# Altium PCB amp.PcbDoc (part 18 of 20) (continued)
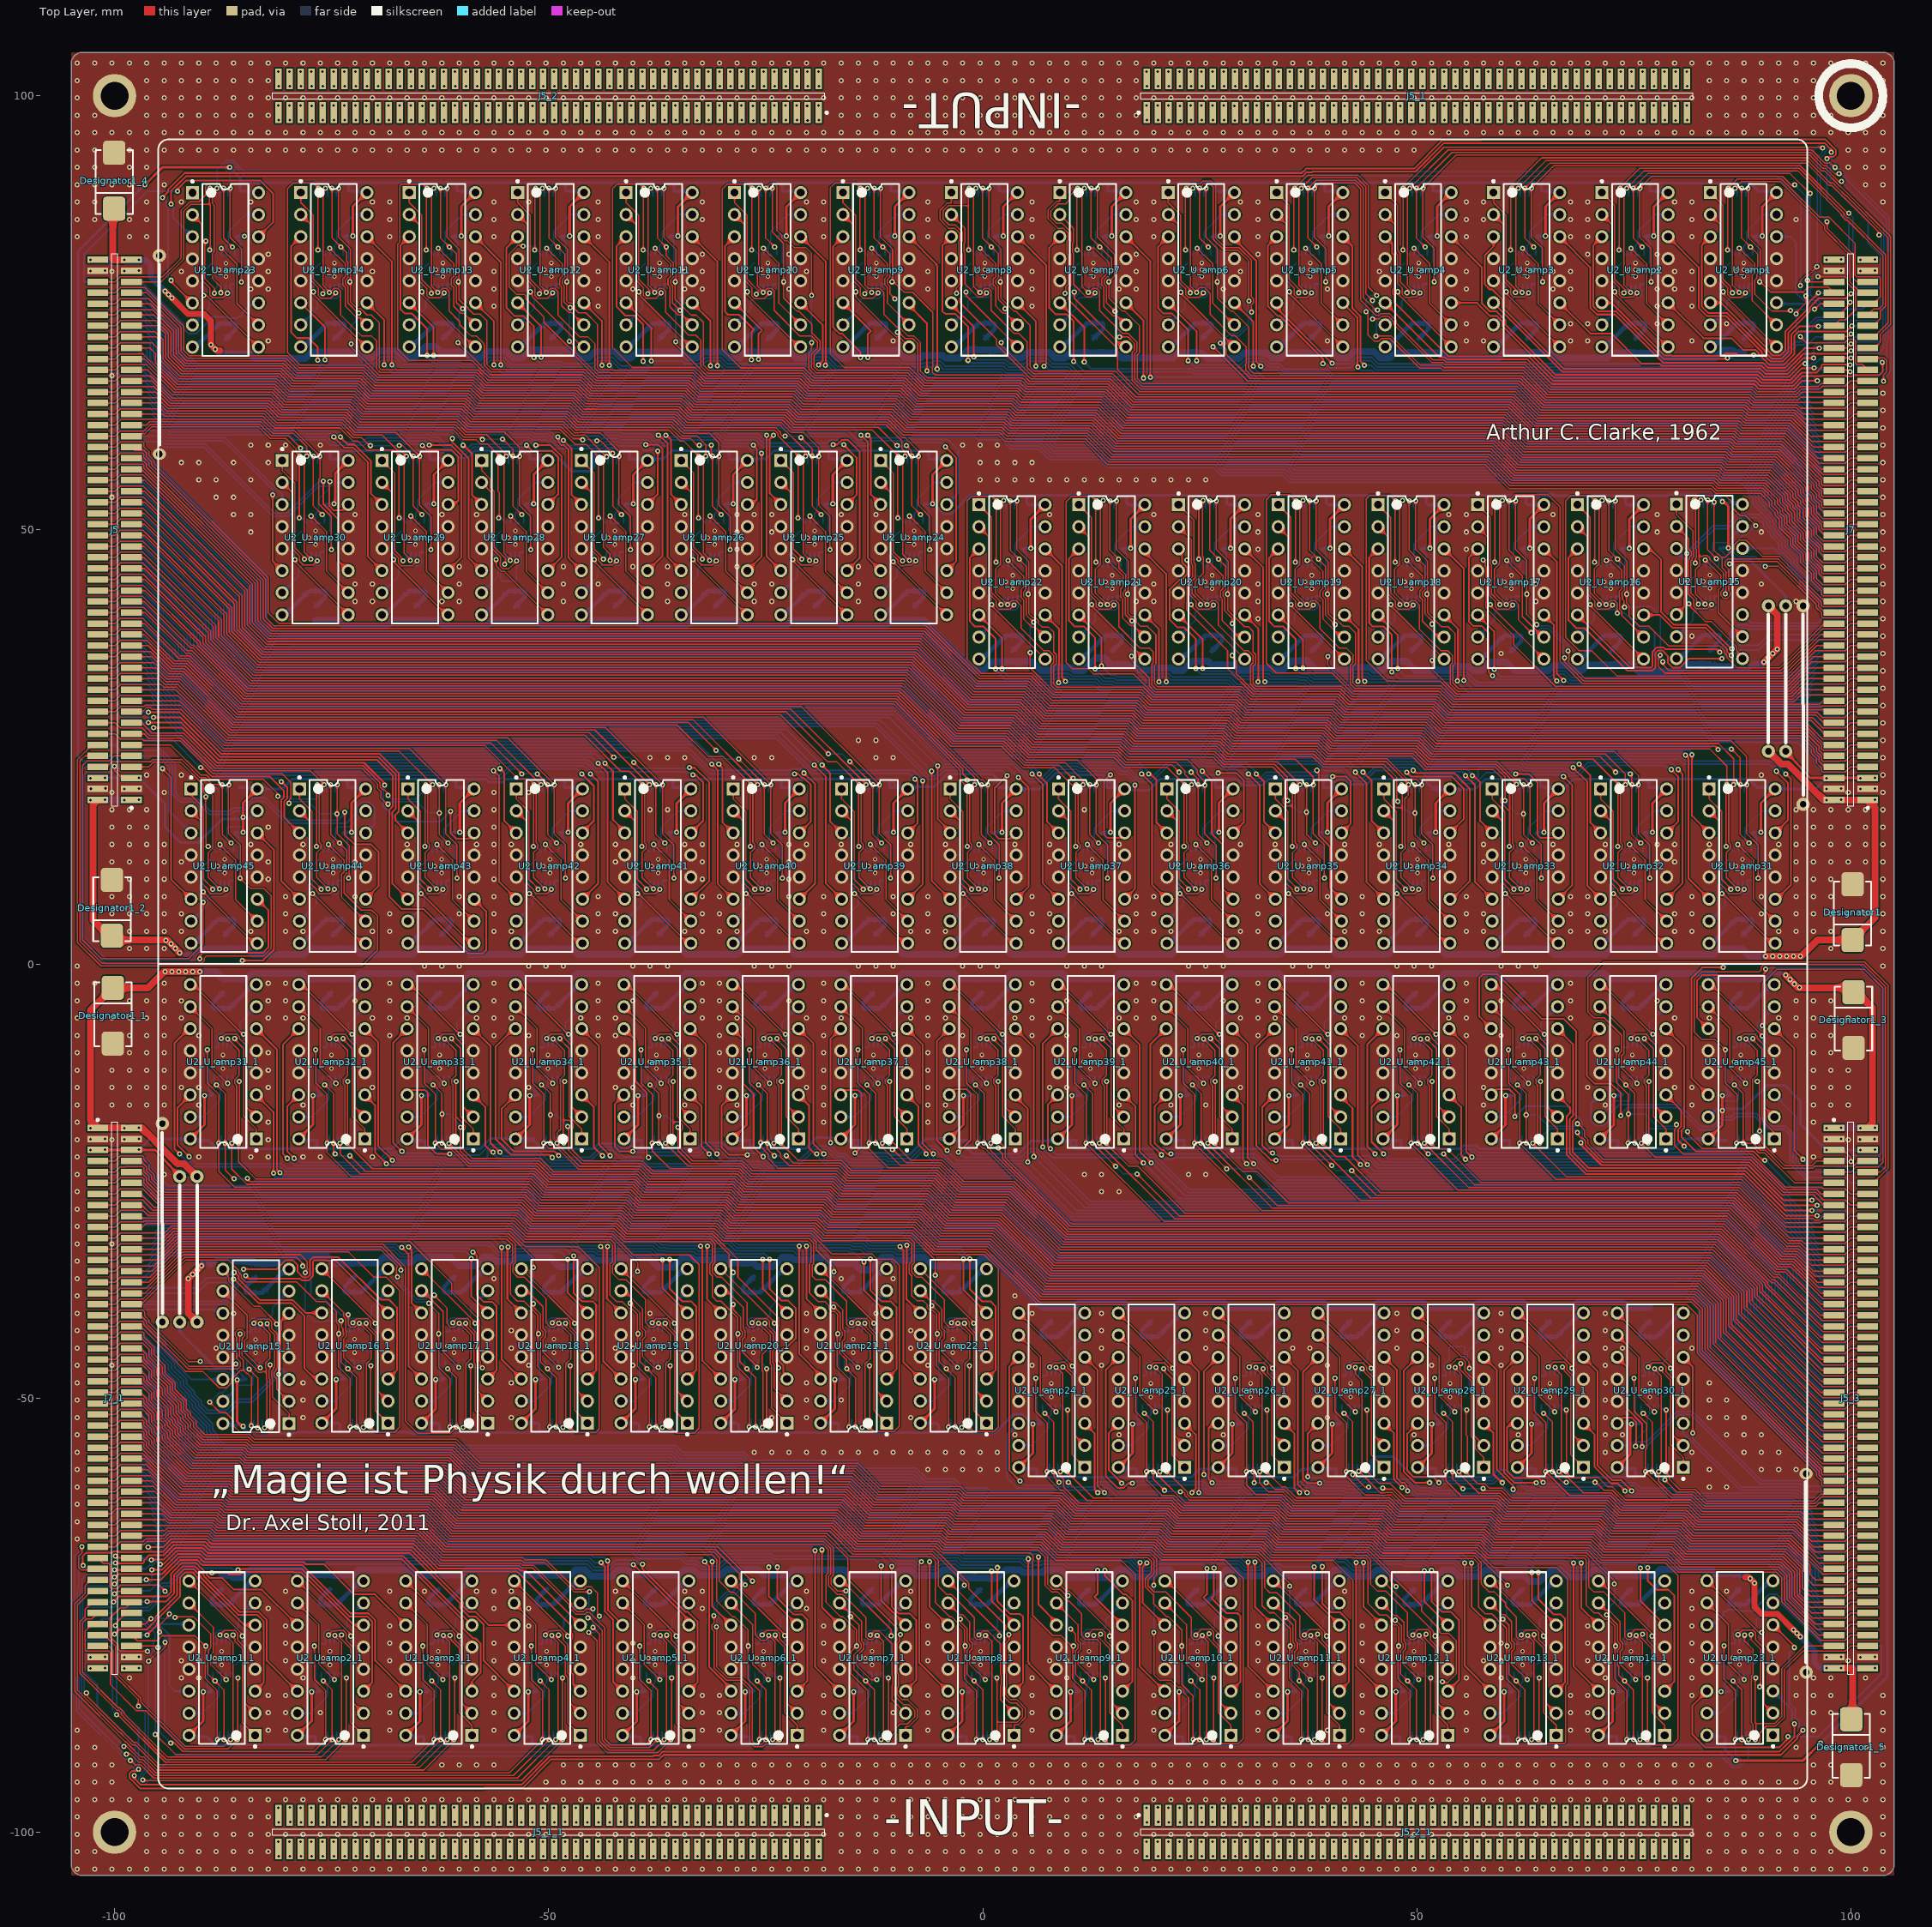
[diagram p0: Top Layer view]
## Nets (pads, with @x,y where several pads share a name; then routed paths per layer and width w, separated by ;. In a path a pad name is that pad's centre, name@x,y a point inside that pad or via, vN(x,y) a via of type N, cw(c..) or ccw(c..) an arc to the next point about the centre after c; other vN are vias at no path point) (continued)
  Bottom Layer w0.15: U1_U_amp42.12@-49.357,12.918 U1_U_amp42.11@-49.857,12.918 -49.857,14.052 -49.568,14.341 -49.568,15.661 -47.607,17.623 U2_U_amp42.15@-46.104,17.623 ; U2_U_amp42_1.15@46.104,-17.623 47.607,-17.623 49.568,-15.661 49.568,-14.341 49.857,-14.052 U1_U_amp42_1.11@49.857,-12.918 U1_U_amp42_1.12@49.357,-12.918
NetU1_U_amp43_2: U1_U_amp43.2 U1_U_amp43.3 U1_U_amp43_1.2 U1_U_amp43_1.3 U2_U_amp43.7 U2_U_amp43_1.7 | length 16.6
  Bottom Layer w0.15: U2_U_amp43.7@-66.214,4.923 -64.31,6.828 -64.31,7.66 -63.903,8.067 -61.963,8.067 -61.647,8.383 -61.647,8.9 -61.855,9.108 -61.855,9.61 U1_U_amp43.3@-61.847,9.618 U1_U_amp43.2@-61.347,9.618 ; U1_U_amp43_1.2@61.347,-9.618 U1_U_amp43_1.3@61.847,-9.618 61.855,-9.61 61.855,-9.108 61.647,-8.9 61.647,-8.383 61.963,-8.067 63.903,-8.067 64.31,-7.66 64.31,-6.828 U2_U_amp43_1.7@66.214,-4.923
NetU1_U_amp43_4: U1_U_amp43.4 U1_U_amp43_1.4 U2_U_amp43.2 U2_U_amp43_1.2 | length 27.1
  Top Layer w0.15: U2_U_amp43.2@-66.214,17.623 -65.068,16.477 -65.068,9.391 -64.244,8.567 -64.244,8.383 -63.937,8.075 -62.697,8.075 v1(-62.172,8.6) ; v1(62.172,-8.6) 62.697,-8.075 63.937,-8.075 64.244,-8.383 64.244,-8.567 65.068,-9.391 65.068,-16.477 U2_U_amp43_1.2@66.214,-17.623
  Bottom Layer w0.15: v1@-62.347,8.54 U1_U_amp43.4@-62.347,9.618 ; U1_U_amp43_1.4@62.347,-9.618 v1@62.347,-8.54
NetU1_U_amp43_10: U1_U_amp43.10 U1_U_amp43_1.10 U2_U_amp43.10 U2_U_amp43_1.10 | length 22.9
  Top Layer w0.15: v1(-62.887,13.756) -61.085,11.954 -61.085,7.414 U2_U_amp43.10@-58.594,4.923 ; U2_U_amp43_1.10@58.594,-4.923 61.085,-7.414 61.085,-11.954 v1(62.887,-13.756)
  Bottom Layer w0.15: v1(-62.887,13.756) -62.847,13.716 U1_U_amp43.10@-62.847,12.918 ; U1_U_amp43_1.10@62.847,-12.918 62.847,-13.716 v1(62.887,-13.756)
NetU1_U_amp43_11: U1_U_amp43.11 U1_U_amp43.12 U1_U_amp43_1.11 U1_U_amp43_1.12 U2_U_amp43.15 U2_U_amp43_1.15 | length 15.1
  Bottom Layer w0.15: U1_U_amp43.12@-61.847,12.918 U1_U_amp43.11@-62.347,12.918 -62.347,14.052 -62.059,14.341 -62.059,15.541 -59.977,17.623 U2_U_amp43.15@-58.594,17.623 ; U2_U_amp43_1.15@58.594,-17.623 59.977,-17.623 62.059,-15.541 62.059,-14.341 62.347,-14.052 U1_U_amp43_1.11@62.347,-12.918 U1_U_amp43_1.12@61.847,-12.918
NetU1_U_amp44_2: U1_U_amp44.2 U1_U_amp44.3 U1_U_amp44_1.2 U1_U_amp44_1.3 U2_U_amp44.7 U2_U_amp44_1.7 | length 16.6
  Bottom Layer w0.15: U2_U_amp44.7@-78.705,4.923 -76.8,6.828 -76.8,7.66 -76.393,8.067 -74.453,8.067 -74.137,8.383 -74.137,8.9 -74.346,9.108 -74.346,9.61 U1_U_amp44.3@-74.338,9.618 U1_U_amp44.2@-73.838,9.618 ; U1_U_amp44_1.2@73.838,-9.618 U1_U_amp44_1.3@74.338,-9.618 74.346,-9.61 74.346,-9.108 74.137,-8.9 74.137,-8.383 74.453,-8.067 76.393,-8.067 76.8,-7.66 76.8,-6.828 U2_U_amp44_1.7@78.705,-4.923
NetU1_U_amp44_4: U1_U_amp44.4 U1_U_amp44_1.4 U2_U_amp44.2 U2_U_amp44_1.2 | length 27.1
  Top Layer w0.15: U2_U_amp44.2@-78.705,17.623 -77.558,16.477 -77.558,9.391 -76.735,8.567 -76.735,8.383 -76.427,8.075 -75.188,8.075 v1(-74.662,8.6) ; v1(74.662,-8.6) 75.188,-8.075 76.427,-8.075 76.735,-8.383 76.735,-8.567 77.558,-9.391 77.558,-16.477 U2_U_amp44_1.2@78.705,-17.623
  Bottom Layer w0.15: v1@-74.838,8.54 U1_U_amp44.4@-74.838,9.618 ; U1_U_amp44_1.4@74.838,-9.618 v1@74.838,-8.54
NetU1_U_amp44_10: U1_U_amp44.10 U1_U_amp44_1.10 U2_U_amp44.10 U2_U_amp44_1.10 | length 23.4
  Top Layer w0.15: v1(-75.378,13.756) -73.575,11.954 -73.575,10.599 -73.875,10.299 -73.875,7.714 U2_U_amp44.10@-71.085,4.923 ; U2_U_amp44_1.10@71.085,-4.923 73.875,-7.714 73.875,-10.299 73.575,-10.599 73.575,-11.954 v1(75.378,-13.756)
  Bottom Layer w0.15: v1(-75.378,13.756) -75.338,13.716 U1_U_amp44.10@-75.338,12.918 ; U1_U_amp44_1.10@75.338,-12.918 75.338,-13.716 v1(75.378,-13.756)
NetU1_U_amp44_11: U1_U_amp44.11 U1_U_amp44.12 U1_U_amp44_1.11 U1_U_amp44_1.12 U2_U_amp44.15 U2_U_amp44_1.15 | length 15.3
  Bottom Layer w0.15: U1_U_amp44.12@-74.338,12.918 U1_U_amp44.11@-74.838,12.918 -74.838,14.052 -74.549,14.341 -74.549,15.661 -74.433,15.777 -72.931,15.777 U2_U_amp44.15@-71.085,17.623 ; U2_U_amp44_1.15@71.085,-17.623 72.931,-15.777 74.433,-15.777 74.549,-15.661 74.549,-14.341 74.838,-14.052 U1_U_amp44_1.11@74.838,-12.918 U1_U_amp44_1.12@74.338,-12.918
NetU1_U_amp45_2: U1_U_amp45.2 U1_U_amp45.3 U1_U_amp45_1.2 U1_U_amp45_1.3 U2_U_amp45.7 U2_U_amp45_1.7 | length 16.3
  Bottom Layer w0.15: U2_U_amp45.7@-91.195,4.923 -89.275,6.843 -89.275,7.317 -89.308,7.351 -88.899,7.76 -87.25,7.76 -86.628,8.383 -86.628,8.9 -86.836,9.108 -86.836,9.61 U1_U_amp45.3@-86.828,9.618 U1_U_amp45.2@-86.328,9.618 ; U1_U_amp45_1.2@86.328,-9.618 U1_U_amp45_1.3@86.828,-9.618 86.836,-9.61 86.836,-9.108 86.628,-8.9 86.628,-8.383 87.25,-7.76 88.899,-7.76 89.308,-7.351 89.275,-7.317 89.275,-6.843 U2_U_amp45_1.7@91.195,-4.923
NetU1_U_amp45_4: U1_U_amp45.4 U1_U_amp45_1.4 U2_U_amp45.2 U2_U_amp45_1.2 | length 27.1
  Top Layer w0.15: U2_U_amp45.2@-91.195,17.623 -90.048,16.477 -90.048,9.391 -89.225,8.567 -89.225,8.383 -88.917,8.075 -87.678,8.075 v1(-87.153,8.6) ; v1(87.153,-8.6) 87.678,-8.075 88.917,-8.075 89.225,-8.383 89.225,-8.567 90.048,-9.391 90.048,-16.477 U2_U_amp45_1.2@91.195,-17.623
  Bottom Layer w0.15: v1@-87.328,8.54 U1_U_amp45.4@-87.328,9.618 ; U1_U_amp45_1.4@87.328,-9.618 v1@87.328,-8.54
NetU1_U_amp45_10: U1_U_amp45.10 U1_U_amp45_1.10 U2_U_amp45.10 U2_U_amp45_1.10 | length 22.9
  Top Layer w0.15: v1(-87.868,13.756) -86.065,11.954 -86.065,7.414 U2_U_amp45.10@-83.575,4.923 ; U2_U_amp45_1.10@83.575,-4.923 86.065,-7.414 86.065,-11.954 v1(87.868,-13.756)
  Bottom Layer w0.15: v1(-87.868,13.756) -87.828,13.716 U1_U_amp45.10@-87.828,12.918 ; U1_U_amp45_1.10@87.828,-12.918 87.828,-13.716 v1(87.868,-13.756)
NetU1_U_amp45_11: U1_U_amp45.11 U1_U_amp45.12 U1_U_amp45_1.11 U1_U_amp45_1.12 U2_U_amp45.15 U2_U_amp45_1.15 | length 15.3
  Bottom Layer w0.15: U1_U_amp45.12@-86.828,12.918 U1_U_amp45.11@-87.328,12.918 -87.328,14.052 -87.039,14.341 -87.039,15.661 -86.924,15.777 -85.421,15.777 U2_U_amp45.15@-83.575,17.623 ; U2_U_amp45_1.15@83.575,-17.623 85.421,-15.777 86.924,-15.777 87.039,-15.661 87.039,-14.341 87.328,-14.052 U1_U_amp45_1.11@87.328,-12.918 U1_U_amp45_1.12@86.828,-12.918
NetU1_U_amp46_2: 
NetU1_U_amp46_4: 
NetU1_U_amp46_10: 
NetU1_U_amp46_11: 
NetU1_U_amp47_2: 
NetU1_U_amp47_4: 
NetU1_U_amp47_10: 
NetU1_U_amp47_11: 
NetU1_U_amp48_2: 
NetU1_U_amp48_4: 
NetU1_U_amp48_10: 
NetU1_U_amp48_11: 
NetU1_U_amp49_2: 
NetU1_U_amp49_4: 
NetU1_U_amp49_10: 
NetU1_U_amp49_11: 
NetU1_U_amp50_2: 
NetU1_U_amp50_4: 
NetU1_U_amp50_10: 
NetU1_U_amp50_11: 
NetU1_U_amp51_2: 
NetU1_U_amp51_4: 
NetU1_U_amp51_10: 
NetU1_U_amp51_11: 
NetU1_U_amp52_2: 
NetU1_U_amp52_4: 
NetU1_U_amp52_10: 
NetU1_U_amp52_11: 
NetU1_U_amp53_2: 
NetU1_U_amp53_4: 
NetU1_U_amp53_10: 
NetU1_U_amp53_11: 
NetU1_U_amp54_2: 
NetU1_U_amp54_4: 
NetU1_U_amp54_10: 
NetU1_U_amp54_11: 
NetU1_U_amp55_2: 
NetU1_U_amp55_4: 
NetU1_U_amp55_10: 
NetU1_U_amp55_11: 
NetU1_U_amp56_2: 
NetU1_U_amp56_4: 
NetU1_U_amp56_10: 
NetU1_U_amp56_11: 
NetU1_U_amp57_2: 
NetU1_U_amp57_4: 
NetU1_U_amp57_10: 
NetU1_U_amp57_11: 
NetU1_U_amp58_2: 
NetU1_U_amp58_4: 
NetU1_U_amp58_10: 
NetU1_U_amp58_11: 
NetU1_U_amp59_2: 
NetU1_U_amp59_4: 
NetU1_U_amp59_10: 
NetU1_U_amp59_11: 
NetU1_U_amp60_2: 
NetU1_U_amp60_4: 
NetU1_U_amp60_10: 
NetU1_U_amp60_11: 
NetU1_U_amp61_2: 
NetU1_U_amp61_4: 
NetU1_U_amp61_10: 
NetU1_U_amp61_11: 
NetU1_U_amp62_2: 
NetU1_U_amp62_4: 
NetU1_U_amp62_10: 
NetU1_U_amp62_11: 
NetU1_U_amp63_2: 
NetU1_U_amp63_4: 
NetU1_U_amp63_10: 
NetU1_U_amp63_11: 
NetU1_U_amp64_2: 
NetU1_U_amp64_4: 
NetU1_U_amp64_10: 
NetU1_U_amp64_11: 
NetU1_U_amp65_2: 
NetU1_U_amp65_4: 
NetU1_U_amp65_10: 
NetU1_U_amp65_11: 
NetU1_U_amp66_2: 
NetU1_U_amp66_4: 
NetU1_U_amp66_10: 
NetU1_U_amp66_11: 
NetU1_U_amp67_2: 
NetU1_U_amp67_4: 
NetU1_U_amp67_10: 
NetU1_U_amp67_11: 
NetU1_U_amp68_2: 
NetU1_U_amp68_4: 
NetU1_U_amp68_10: 
NetU1_U_amp68_11: 
NetU1_U_amp69_2: 
NetU1_U_amp69_4: 
NetU1_U_amp69_10: 
NetU1_U_amp69_11: 
NetU1_U_amp70_2: 
NetU1_U_amp70_4: 
NetU1_U_amp70_10: 
NetU1_U_amp70_11: 
NetU1_U_amp71_2: 
NetU1_U_amp71_4: 
NetU1_U_amp71_10: 
NetU1_U_amp71_11: 
NetU1_U_amp72_2: 
NetU1_U_amp72_4: 
NetU1_U_amp72_10: 
NetU1_U_amp72_11: 
NetU1_U_amp73_2: 
NetU1_U_amp73_4: 
NetU1_U_amp73_10: 
NetU1_U_amp73_11: 
NetU1_U_amp74_2: 
NetU1_U_amp74_4: 
NetU1_U_amp74_10: 
NetU1_U_amp74_11: 
NetU1_U_amp75_2: 
NetU1_U_amp75_4: 
NetU1_U_amp75_10: 
NetU1_U_amp75_11: 
NetU1_U_amp76_2: 
NetU1_U_amp76_4: 
NetU1_U_amp76_10: 
NetU1_U_amp76_11: 
NetU1_U_amp77_2: 
NetU1_U_amp77_4: 
NetU1_U_amp77_10: 
NetU1_U_amp77_11: 
NetU1_U_amp78_2: 
NetU1_U_amp78_4: 
NetU1_U_amp78_10: 
NetU1_U_amp78_11: 
NetU1_U_amp79_2: 
NetU1_U_amp79_4: 
NetU1_U_amp79_10: 
NetU1_U_amp79_11: 
NetU1_U_amp80_2: 
NetU1_U_amp80_4: 
NetU1_U_amp80_10: 
NetU1_U_amp80_11: 
NetU1_U_amp81_2: 
NetU1_U_amp81_4: 
NetU1_U_amp81_10: 
NetU1_U_amp81_11: 
NetU1_U_amp82_2: 
NetU1_U_amp82_4: 
NetU1_U_amp82_10: 
NetU1_U_amp82_11: 
NetU1_U_amp83_2: 
NetU1_U_amp83_4: 
NetU1_U_amp83_10: 
NetU1_U_amp83_11: 
NetU1_U_amp84_2: 
NetU1_U_amp84_4: 
NetU1_U_amp84_10: 
NetU1_U_amp84_11: 
NetU1_U_amp85_2: 
NetU1_U_amp85_4: 
NetU1_U_amp85_10: 
NetU1_U_amp85_11: 
NetU1_U_amp86_2: 
NetU1_U_amp86_4: 
NetU1_U_amp86_10: 
NetU1_U_amp86_11: 
NetU1_U_amp87_2: 
NetU1_U_amp87_4: 
NetU1_U_amp87_10: 
NetU1_U_amp87_11: 
NetU1_U_amp88_2: 
NetU1_U_amp88_4: 
NetU1_U_amp88_10: 
NetU1_U_amp88_11: 
NetU1_U_amp89_2: 
NetU1_U_amp89_4: 
NetU1_U_amp89_10: 
NetU1_U_amp89_11: 
NetU1_U_amp90_2: 
NetU1_U_amp90_4: 
NetU1_U_amp90_10: 
NetU1_U_amp90_11: 
VUS: Designator1.2 Designator1_1.2 Designator1_2.2 Designator1_3.2 Designator1_4.2 Designator1_5.2 J5.1 J5.2 J5.99 J5.100 J5_3.1 J5_3.2 J5_3.99 J5_3.100 J6.1 J6.2 J6.99 J6.100 J6_3.1 J6_3.2 J6_3.99 J6_3.100 J7.1 J7.2 J7.99 J7.100 J7_1.1 J7_1.2 J7_1.99 J7_1.100 J8.1 J8.2 J8.99 J8.100 J8_1.1 J8_1.2 J8_1.99 J8_1.100 pad.2@90.5,41.25 pad.2@-90.5,-41.25 pad.3@90.5,24.5 pad.3@-90.5,-24.5 R2_U_amp1.2 R2_U_amp1_1.2 R2_U_amp2.2 R2_U_amp2_1.2 R2_U_amp3.2 R2_U_amp3_1.2 R2_U_amp4.2 R2_U_amp4_1.2 R2_U_amp5.2 R2_U_amp5_1.2 R2_U_amp6.2 R2_U_amp6_1.2 R2_U_amp7.2 R2_U_amp7_1.2 R2_U_amp8.2 R2_U_amp8_1.2 R2_U_amp9.2 R2_U_amp9_1.2 R2_U_amp10.2 R2_U_amp10_1.2 R2_U_amp11.2 R2_U_amp11_1.2 R2_U_amp12.2 R2_U_amp12_1.2 R2_U_amp13.2 R2_U_amp13_1.2 R2_U_amp14.2 R2_U_amp14_1.2 R2_U_amp15.2 R2_U_amp15_1.2 R2_U_amp16.2 R2_U_amp16_1.2 R2_U_amp17.2 R2_U_amp17_1.2 R2_U_amp18.2 R2_U_amp18_1.2 R2_U_amp19.2 R2_U_amp19_1.2 R2_U_amp20.2 R2_U_amp20_1.2 R2_U_amp21.2 R2_U_amp21_1.2 R2_U_amp22.2 R2_U_amp22_1.2 R2_U_amp23.2 R2_U_amp23_1.2 R2_U_amp24.2 R2_U_amp24_1.2 R2_U_amp25.2 R2_U_amp25_1.2 R2_U_amp26.2 R2_U_amp26_1.2 R2_U_amp27.2 R2_U_amp27_1.2 R2_U_amp28.2 R2_U_amp28_1.2 R2_U_amp29.2 R2_U_amp29_1.2 R2_U_amp30.2 R2_U_amp30_1.2 R2_U_amp31.2 R2_U_amp31_1.2 R2_U_amp32.2 R2_U_amp32_1.2 R2_U_amp33.2 R2_U_amp33_1.2 R2_U_amp34.2 R2_U_amp34_1.2 R2_U_amp35.2 R2_U_amp35_1.2 R2_U_amp36.2 R2_U_amp36_1.2 R2_U_amp37.2 R2_U_amp37_1.2 R2_U_amp38.2 R2_U_amp38_1.2 R2_U_amp39.2 R2_U_amp39_1.2 R2_U_amp40.2 R2_U_amp40_1.2 R2_U_amp41.2 R2_U_amp41_1.2 R2_U_amp42.2 R2_U_amp42_1.2 R2_U_amp43.2 R2_U_amp43_1.2 R2_U_amp44.2 R2_U_amp44_1.2 R2_U_amp45.2 R2_U_amp45_1.2 | length 1368.2
  Top Layer w0.7: v1(-94.2,77.5) -94.179,77.5 v1(-93.779,77.1) v1(-93.379,76.7) -91.559,74.88 -89.72,74.88 -88.9,74.06 v1(-88.9,71.3) v1(-88.4,70.8) -88.25,70.65 -87.8,70.65 ; 87.8,-70.65 88.25,-70.65 v1(88.4,-70.8) v1(88.9,-71.3) 88.9,-74.06 89.72,-74.88 91.559,-74.88 v1(93.379,-76.7) v1(93.779,-77.1) 94.179,-77.5 v1(94.2,-77.5)
  Top Layer w0.8: J5.2@-101.1,18.885 J5.2@-101.95,18.885 -102.5,18.335 -102.5,5.05 -100.2,2.75 -93.95,2.75 v1(-93.5,2.3) v1(-93,1.8) v1(-92.5,1.3) ; Designator1_4.2@-100.2,87.35 -100.2,81.215 -100.1,81.115 J5.99@-98.9,81.115 ; J7_1.2@-98.9,-18.885 J7_1.1@-101.95,-18.885 -102.8,-18.035 -102.8,-5.35 Designator1_1.2@-100.2,-2.75 -96.15,-2.75 -94.3,-0.9 v1(-94.2,-0.9) v1(-93.4,-0.9) v1(-92.6,-0.9) v1(-91.8,-0.9) v1(-91,-0.9) v1(-90.2,-0.9) ; J7_1.2@-98.05,-18.885 -96.866,-18.885 -93.876,-21.876 ; -93.874,-21.876 -92.75,-23 -92,-23 pad.3@-90.5,-24.5 ; pad.2@-90.5,-41.25 -91.5,-40.25 v1(-91.5,-36.25) v1(-91,-35.75) v1(-90.5,-35.25) v1(-90,-34.75) ; v1(90,34.75) v1(90.5,35.25) v1(91,35.75) v1(91.5,36.25) 91.5,40.25 pad.2@90.5,41.25 ; v1(90.2,0.9) v1(91,0.9) v1(91.8,0.9) v1(92.6,0.9) v1(93.4,0.9) v1(94.2,0.9) 94.3,0.9 96.15,2.75 Designator1.2@100.2,2.75 102.8,5.35 102.8,18.035 J7.1@101.95,18.885 J7.2@98.9,18.885 ; pad.3@90.5,24.5 92,23 92.75,23 93.874,21.876 ; v1(92.5,-1.3) v1(93,-1.8) v1(93.5,-2.3) 93.95,-2.75 100.2,-2.75 102.5,-5.05 102.5,-18.335 J5_3.2@101.95,-18.885 J5_3.2@101.1,-18.885 ; 93.876,21.876 96.866,18.885 J7.2@98.05,18.885 ; J5_3.99@98.9,-81.115 100.1,-81.115 100.2,-81.215 Designator1_5.2@100.2,-87.35
  Bottom Layer w0.4: -88.75,-34.5 -88.295,-34.045 -86.2,-34.045 -86,-34.245 ; 86,34.245 86.2,34.045 88.295,34.045 88.75,34.5
  Bottom Layer w0.5: v1@-93.9,2.7 v1(-93.5,2.3) v1(-93,1.8) v1(-92.5,1.3) -92.3,1.1 -90.852,1.1 -90.302,1.65 -90.09,1.65 ; R2_U_amp23.2@-87.19,70.371 -84.368,70.371 -83.897,69.9 ; 83.897,-69.9 84.368,-70.371 R2_U_amp23_1.2@87.19,-70.371 ; 90.09,-1.65 90.302,-1.65 90.852,-1.1 92.3,-1.1 v1(92.5,-1.3) v1(93,-1.8) v1(93.5,-2.3) v1@93.9,-2.7
  Bottom Layer w0.7: v1(-102.8,81.09) v1(-98.9,81.09) ; J6.100@-98.05,81.115 -98.075,81.09 v1(-98.9,81.09) ; -93.15,76.45 -93.789,77.089 v1(-94.2,77.5) -95.8,79.1 -95.8,80.5 -96.3,81 -98.81,81 v1(-98.9,81.09) ; v1(-88.9,71.3) v1(-88.4,70.8) -87.971,70.371 R2_U_amp23.2@-87.19,70.371 ; R2_U_amp23_1.2@87.19,-70.371 87.971,-70.371 v1(88.4,-70.8) v1(88.9,-71.3) ; 93.15,-76.45 93.789,-77.089 v1(94.2,-77.5) 95.8,-79.1 95.8,-80.5 96.3,-81 98.05,-81 98.81,-81 v1(98.9,-81.09) ; J6_3.100@98.05,-81.115 98.075,-81.09 v1(98.9,-81.09) ; v1(102.8,-81.09) v1(98.9,-81.09)
  Bottom Layer w0.8: J8_1.2@-101.95,-18.885 J8_1.1@-98.05,-18.885 ; v1(-101.1,18.91) -101.05,18.86 v1(-98.9,18.86) ; v1(-94.2,-0.9) v1(-93.4,-0.9) v1(-92.6,-0.9) v1(-91.8,-0.9) v1(-91,-0.9) v1(-90.2,-0.9) -88.323,-0.9 R2_U_amp31_1.2@-87.519,-1.704 -84.827,-1.704 -84.206,-1.083 -78.259,-1.083 -77.638,-1.704 R2_U_amp32_1.2@-75.029,-1.704 -72.337,-1.704 -71.716,-1.083 -65.769,-1.083 -65.148,-1.704 R2_U_amp33_1.2@-62.539,-1.704 -59.847,-1.704 -59.226,-1.083 -53.279,-1.083 -52.658,-1.704 R2_U_amp34_1.2@-50.048,-1.704 -47.357,-1.704 -46.736,-1.083 -40.789,-1.083 -40.168,-1.704 R2_U_amp35_1.2@-37.558,-1.704 -34.867,-1.704 -34.246,-1.083 -28.299,-1.083 -27.678,-1.704 R2_U_amp36_1.2@-25.068,-1.704 -22.377,-1.704 -21.755,-1.083 -15.808,-1.083 -15.187,-1.704 R2_U_amp37_1.2@-12.578,-1.704 -9.886,-1.704 -9.265,-1.083 -3.318,-1.083 -2.697,-1.704 R2_U_amp38_1.2@-0.088,-1.704 2.604,-1.704 3.225,-1.083 9.172,-1.083 9.793,-1.704 R2_U_amp39_1.2@12.403,-1.704 15.094,-1.704 15.715,-1.083 21.662,-1.083 22.283,-1.704 R2_U_amp40_1.2@24.893,-1.704 27.584,-1.704 28.205,-1.083 34.152,-1.083 34.773,-1.704 R2_U_amp41_1.2@37.383,-1.704 40.075,-1.704 40.696,-1.083 46.643,-1.083 47.264,-1.704 R2_U_amp42_1.2@49.873,-1.704 52.565,-1.704 53.186,-1.083 59.133,-1.083 59.754,-1.704 R2_U_amp43_1.2@62.363,-1.704 65.055,-1.704 65.676,-1.083 71.623,-1.083 72.244,-1.704 R2_U_amp44_1.2@74.854,-1.704 77.545,-1.704 78.166,-1.083 84.113,-1.083 84.734,-1.704 R2_U_amp45_1.2@87.344,-1.704 90.035,-1.704 90.09,-1.65 ; v1(-91.5,-36.25) v1(-91,-35.75) v1(-90.5,-35.25) v1(-90,-34.75) -89.75,-34.5 -88.75,-34.5 ; -90.09,1.65 -90.035,1.704 R2_U_amp45.2@-87.344,1.704 -84.734,1.704 -84.113,1.083 -78.166,1.083 -77.545,1.704 R2_U_amp44.2@-74.854,1.704 -72.244,1.704 -71.623,1.083 -65.676,1.083 -65.055,1.704 R2_U_amp43.2@-62.363,1.704 -59.754,1.704 -59.133,1.083 -53.186,1.083 -52.565,1.704 R2_U_amp42.2@-49.873,1.704 -47.264,1.704 -46.643,1.083 -40.696,1.083 -40.075,1.704 R2_U_amp41.2@-37.383,1.704 -34.773,1.704 -34.152,1.083 -28.205,1.083 -27.584,1.704 R2_U_amp40.2@-24.893,1.704 -22.283,1.704 -21.662,1.083 -15.715,1.083 -15.094,1.704 R2_U_amp39.2@-12.403,1.704 -9.793,1.704 -9.172,1.083 -3.225,1.083 -2.604,1.704 R2_U_amp38.2@0.088,1.704 2.697,1.704 3.318,1.083 9.265,1.083 9.886,1.704 R2_U_amp37.2@12.578,1.704 15.187,1.704 15.808,1.083 21.755,1.083 22.377,1.704 R2_U_amp36.2@25.068,1.704 27.678,1.704 28.299,1.083 34.246,1.083 34.867,1.704 R2_U_amp35.2@37.558,1.704 40.168,1.704 40.789,1.083 46.736,1.083 47.357,1.704 R2_U_amp34.2@50.048,1.704 52.658,1.704 53.279,1.083 59.226,1.083 59.847,1.704 R2_U_amp33.2@62.539,1.704 65.148,1.704 65.769,1.083 71.716,1.083 72.337,1.704 R2_U_amp32.2@75.029,1.704 77.638,1.704 78.259,1.083 84.206,1.083 84.827,1.704 R2_U_amp31.2@87.519,1.704 88.323,0.9 v1(90.2,0.9) v1(91,0.9) v1(91.8,0.9) v1(92.6,0.9) v1(93.4,0.9) v1(94.2,0.9) ; R2_U_amp1_1.2@-87.671,-70.391 -86.662,-70.391 -86.404,-70.649 -85.238,-70.649 -84.359,-69.77 -83.282,-69.77 -79.489,-69.77 -78.412,-69.77 -77.871,-70.311 -75.262,-70.311 R2_U_amp2_1.2@-75.181,-70.391 -72.49,-70.391 -71.869,-69.77 -70.792,-69.77 -66.998,-69.77 -65.922,-69.77 -65.301,-70.391 R2_U_amp3_1.2@-62.691,-70.391 -59.999,-70.391 -59.378,-69.77 -58.302,-69.77 -54.508,-69.77 -53.431,-69.77 -52.81,-70.391 R2_U_amp4_1.2@-50.201,-70.391 -47.509,-70.391 -46.888,-69.77 -45.811,-69.77 -45.071,-70.511 -42.759,-70.511 -42.018,-69.77 -40.941,-69.77 -40.354,-70.358 -37.744,-70.358 R2_U_amp5_1.2@-37.711,-70.391 -35.019,-70.391 -34.398,-69.77 -33.321,-69.77 -32.708,-70.384 -30.141,-70.384 -29.494,-69.736 -25.875,-69.736 R2_U_amp6_1.2@-25.22,-70.391 -22.529,-70.391 -21.908,-69.77 -15.961,-69.77 -15.34,-70.391 R2_U_amp7_1.2@-12.73,-70.391 -10.287,-70.391 -9.96,-70.065 -9.836,-70.189 -9.418,-69.77 -8.341,-69.77 -7.691,-70.42 -5.197,-70.42 -4.548,-69.77 -3.471,-69.77 -3.339,-69.902 -3.275,-69.902 -2.45,-70.727 0.615,-70.727 0.664,-70.776 1.368,-70.776 1.417,-70.727 1.696,-70.727 2.653,-69.77 4.307,-69.77 4.616,-70.079 6.865,-70.079 7.174,-69.77 9.02,-69.77 9.924,-70.675 14.659,-70.675 15.563,-69.77 16.753,-69.77 17.544,-70.562 19.642,-70.562 19.922,-70.282 20.252,-69.951 20.433,-69.77 21.51,-69.77 22.211,-70.471 27.352,-70.471 28.053,-69.77 29.13,-69.77 29.831,-70.471 32.222,-70.471 32.923,-69.77 34,-69.77 34.689,-70.46 39.854,-70.46 40.543,-69.77 41.62,-69.77 42.361,-70.511 44.673,-70.511 45.413,-69.77 46.49,-69.77 47.445,-70.725 52.078,-70.725 53.033,-69.77 54.11,-69.77 54.872,-70.532 54.876,-70.536 57.138,-70.536 57.904,-69.77 58.98,-69.77 59.67,-70.46 62.396,-70.46 62.396,-70.481 62.906,-70.991 62.939,-70.991 63.079,-71.132 64.162,-71.132 65.524,-69.77 66.6,-69.77 67.362,-70.532 67.392,-70.562 69.602,-70.562 70.394,-69.77 71.471,-69.77 72.16,-70.46 77.325,-70.46 78.034,-69.75 83.96,-69.75 84.003,-69.794 ; -86,-34.245 -83.989,-34.245 R2_U_amp15_1.2@-83.759,-34.475 -81.068,-34.475 -80.248,-33.655 -75.565,-33.655 -74.745,-34.475 -72.405,-34.475 R2_U_amp16_1.2@-72.361,-34.431 -69.67,-34.431 -69.049,-33.81 -67.95,-33.81 -67.368,-34.392 -65.76,-34.392 -65.178,-33.81 -61.287,-33.81 -60.313,-34.784 -58.533,-34.784 -57.558,-33.81 -56.482,-33.81 -56.052,-34.239 -54.117,-34.239 -53.688,-33.81 -49.832,-33.81 -48.782,-34.861 -47.119,-34.861 -46.068,-33.81 -44.991,-33.81 -44.664,-34.138 -42.525,-34.138 -42.198,-33.81 -38.504,-33.81 -37.402,-34.911 -35.679,-34.911 -34.578,-33.81 -33.501,-33.81 -33.225,-34.087 -30.984,-34.087 -30.708,-33.81 -29.631,-33.81 -29.01,-34.431 R2_U_amp20_1.2@-26.4,-34.431 -25.971,-34.861 -24.138,-34.861 -23.088,-33.81 -22.011,-33.81 -21.734,-34.087 -19.707,-34.087 -19.431,-33.81 -18.141,-33.81 -17.476,-34.475 -14.617,-34.475 -14.617,-34.744 -14.329,-35.031 -14.182,-35.031 -13.972,-35.242 -13.029,-35.242 -11.598,-33.81 -10.521,-33.81 -10.218,-34.113 -8.273,-34.113 -7.971,-33.81 -6.651,-33.81 -5.625,-34.836 -1.133,-34.836 -0.869,-34.572 -0.107,-33.81 1.044,-33.81 6.771,-39.537 R2_U_amp24_1.2@7.906,-39.537 10.597,-39.537 11.218,-38.916 16.166,-38.916 16.787,-39.537 R2_U_amp25_1.2@19.396,-39.537 22.088,-39.537 22.709,-38.916 27.656,-38.916 28.277,-39.537 R2_U_amp26_1.2@30.886,-39.537 33.578,-39.537 34.199,-38.916 39.146,-38.916 39.767,-39.537 R2_U_amp27_1.2@42.377,-39.537 45.068,-39.537 45.689,-38.916 50.636,-38.916 51.257,-39.537 R2_U_amp28_1.2@53.867,-39.537 56.558,-39.537 57.179,-38.916 62.126,-38.916 62.747,-39.537 R2_U_amp29_1.2@65.357,-39.537 68.048,-39.537 68.669,-38.916 73.617,-38.916 74.238,-39.537 R2_U_amp30_1.2@76.847,-39.537 ; -84.003,69.794 -83.96,69.75 -78.034,69.75 -77.325,70.46 -72.16,70.46 -71.471,69.77 -70.394,69.77 -69.602,70.562 -67.392,70.562 -67.362,70.532 -66.6,69.77 -65.524,69.77 -64.162,71.132 -63.079,71.132 -62.939,70.991 -62.906,70.991 -62.396,70.481 -62.396,70.46 -59.67,70.46 -58.98,69.77 -57.904,69.77 -57.138,70.536 -54.876,70.536 -54.872,70.532 -54.11,69.77 -53.033,69.77 -52.078,70.725 -47.445,70.725 -46.49,69.77 -45.413,69.77 -44.673,70.511 -42.361,70.511 -41.62,69.77 -40.543,69.77 -39.854,70.46 -34.689,70.46 -34,69.77 -32.923,69.77 -32.222,70.471 -29.831,70.471 -29.13,69.77 -28.053,69.77 -27.352,70.471 -22.211,70.471 -21.51,69.77 -20.433,69.77 -20.252,69.951 -19.922,70.282 -19.642,70.562 -17.544,70.562 -16.753,69.77 -15.563,69.77 -14.659,70.675 -9.924,70.675 -9.02,69.77 -7.174,69.77 -6.865,70.079 -4.616,70.079 -4.307,69.77 -2.653,69.77 -1.696,70.727 -1.417,70.727 -1.368,70.776 -0.664,70.776 -0.615,70.727 2.45,70.727 3.275,69.902 3.339,69.902 3.471,69.77 4.548,69.77 5.197,70.42 7.691,70.42 8.341,69.77 9.418,69.77 9.836,70.189 9.96,70.065 10.287,70.391 R2_U_amp7.2@12.73,70.391 15.34,70.391 15.961,69.77 21.908,69.77 22.529,70.391 R2_U_amp6.2@25.22,70.391 25.875,69.736 29.494,69.736 30.141,70.384 32.708,70.384 33.321,69.77 34.398,69.77 35.019,70.391 R2_U_amp5.2@37.711,70.391 37.744,70.358 40.354,70.358 40.941,69.77 42.018,69.77 42.759,70.511 45.071,70.511 45.811,69.77 46.888,69.77 47.509,70.391 R2_U_amp4.2@50.201,70.391 52.81,70.391 53.431,69.77 54.508,69.77 58.302,69.77 59.378,69.77 59.999,70.391 R2_U_amp3.2@62.691,70.391 65.301,70.391 65.922,69.77 66.998,69.77 70.792,69.77 71.869,69.77 72.49,70.391 R2_U_amp2.2@75.181,70.391 75.262,70.311 77.871,70.311 78.412,69.77 79.489,69.77 83.282,69.77 84.359,69.77 85.238,70.649 86.404,70.649 86.662,70.391 R2_U_amp1.2@87.671,70.391 ; R2_U_amp30.2@-76.847,39.537 -74.238,39.537 -73.617,38.916 -68.669,38.916 -68.048,39.537 R2_U_amp29.2@-65.357,39.537 -62.747,39.537 -62.126,38.916 -57.179,38.916 -56.558,39.537 R2_U_amp28.2@-53.867,39.537 -51.257,39.537 -50.636,38.916 -45.689,38.916 -45.068,39.537 R2_U_amp27.2@-42.377,39.537 -39.767,39.537 -39.146,38.916 -34.199,38.916 -33.578,39.537 R2_U_amp26.2@-30.886,39.537 -28.277,39.537 -27.656,38.916 -22.709,38.916 -22.088,39.537 R2_U_amp25.2@-19.396,39.537 -16.787,39.537 -16.166,38.916 -11.218,38.916 -10.597,39.537 R2_U_amp24.2@-7.906,39.537 -6.771,39.537 -1.044,33.81 0.107,33.81 0.869,34.572 1.133,34.836 5.625,34.836 6.651,33.81 7.971,33.81 8.273,34.113 10.218,34.113 10.521,33.81 11.598,33.81 13.029,35.242 13.972,35.242 14.182,35.031 14.329,35.031 14.617,34.744 14.617,34.475 17.476,34.475 18.141,33.81 19.431,33.81 19.707,34.087 21.734,34.087 22.011,33.81 23.088,33.81 24.138,34.861 25.971,34.861 R2_U_amp20.2@26.4,34.431 29.01,34.431 29.631,33.81 30.708,33.81 30.984,34.087 33.225,34.087 33.501,33.81 34.578,33.81 35.679,34.911 37.402,34.911 38.504,33.81 42.198,33.81 42.525,34.138 44.664,34.138 44.991,33.81 46.068,33.81 47.119,34.861 48.782,34.861 49.832,33.81 53.688,33.81 54.117,34.239 56.052,34.239 56.482,33.81 57.558,33.81 58.533,34.784 60.313,34.784 61.287,33.81 65.178,33.81 65.76,34.392 67.368,34.392 67.95,33.81 69.049,33.81 69.67,34.431 R2_U_amp16.2@72.361,34.431 72.405,34.475 74.745,34.475 75.565,33.655 80.248,33.655 81.068,34.475 R2_U_amp15.2@83.759,34.475 83.989,34.245 86,34.245 ; 88.75,34.5 89.75,34.5 v1(90,34.75) v1(90.5,35.25) v1(91,35.75) v1(91.5,36.25) ; J8.1@98.05,18.885 J8.2@101.95,18.885 ; v1(98.9,-18.86) 101.05,-18.86 v1(101.1,-18.91)
  other v1: -102.8,-81.14 -98.9,-81.14 -101.1,-81.09 -97.2,-81.09 97.2,-81.1 -102.8,-18.91 -98.9,-18.91 97.2,-18.91 -97.2,-18.86 102.8,-18.86 94.1,-2.7 -94.1,2.7 -102.8,18.86 97.2,18.86 -97.2,18.91 98.9,18.91 102.8,18.91 97.2,81.09 101.1,81.09 -97.2,81.1 98.9,81.14 102.8,81.14